# Altium PCB Thunderscope_Rev5.PCBDOC (part 1 of 7) (continued)
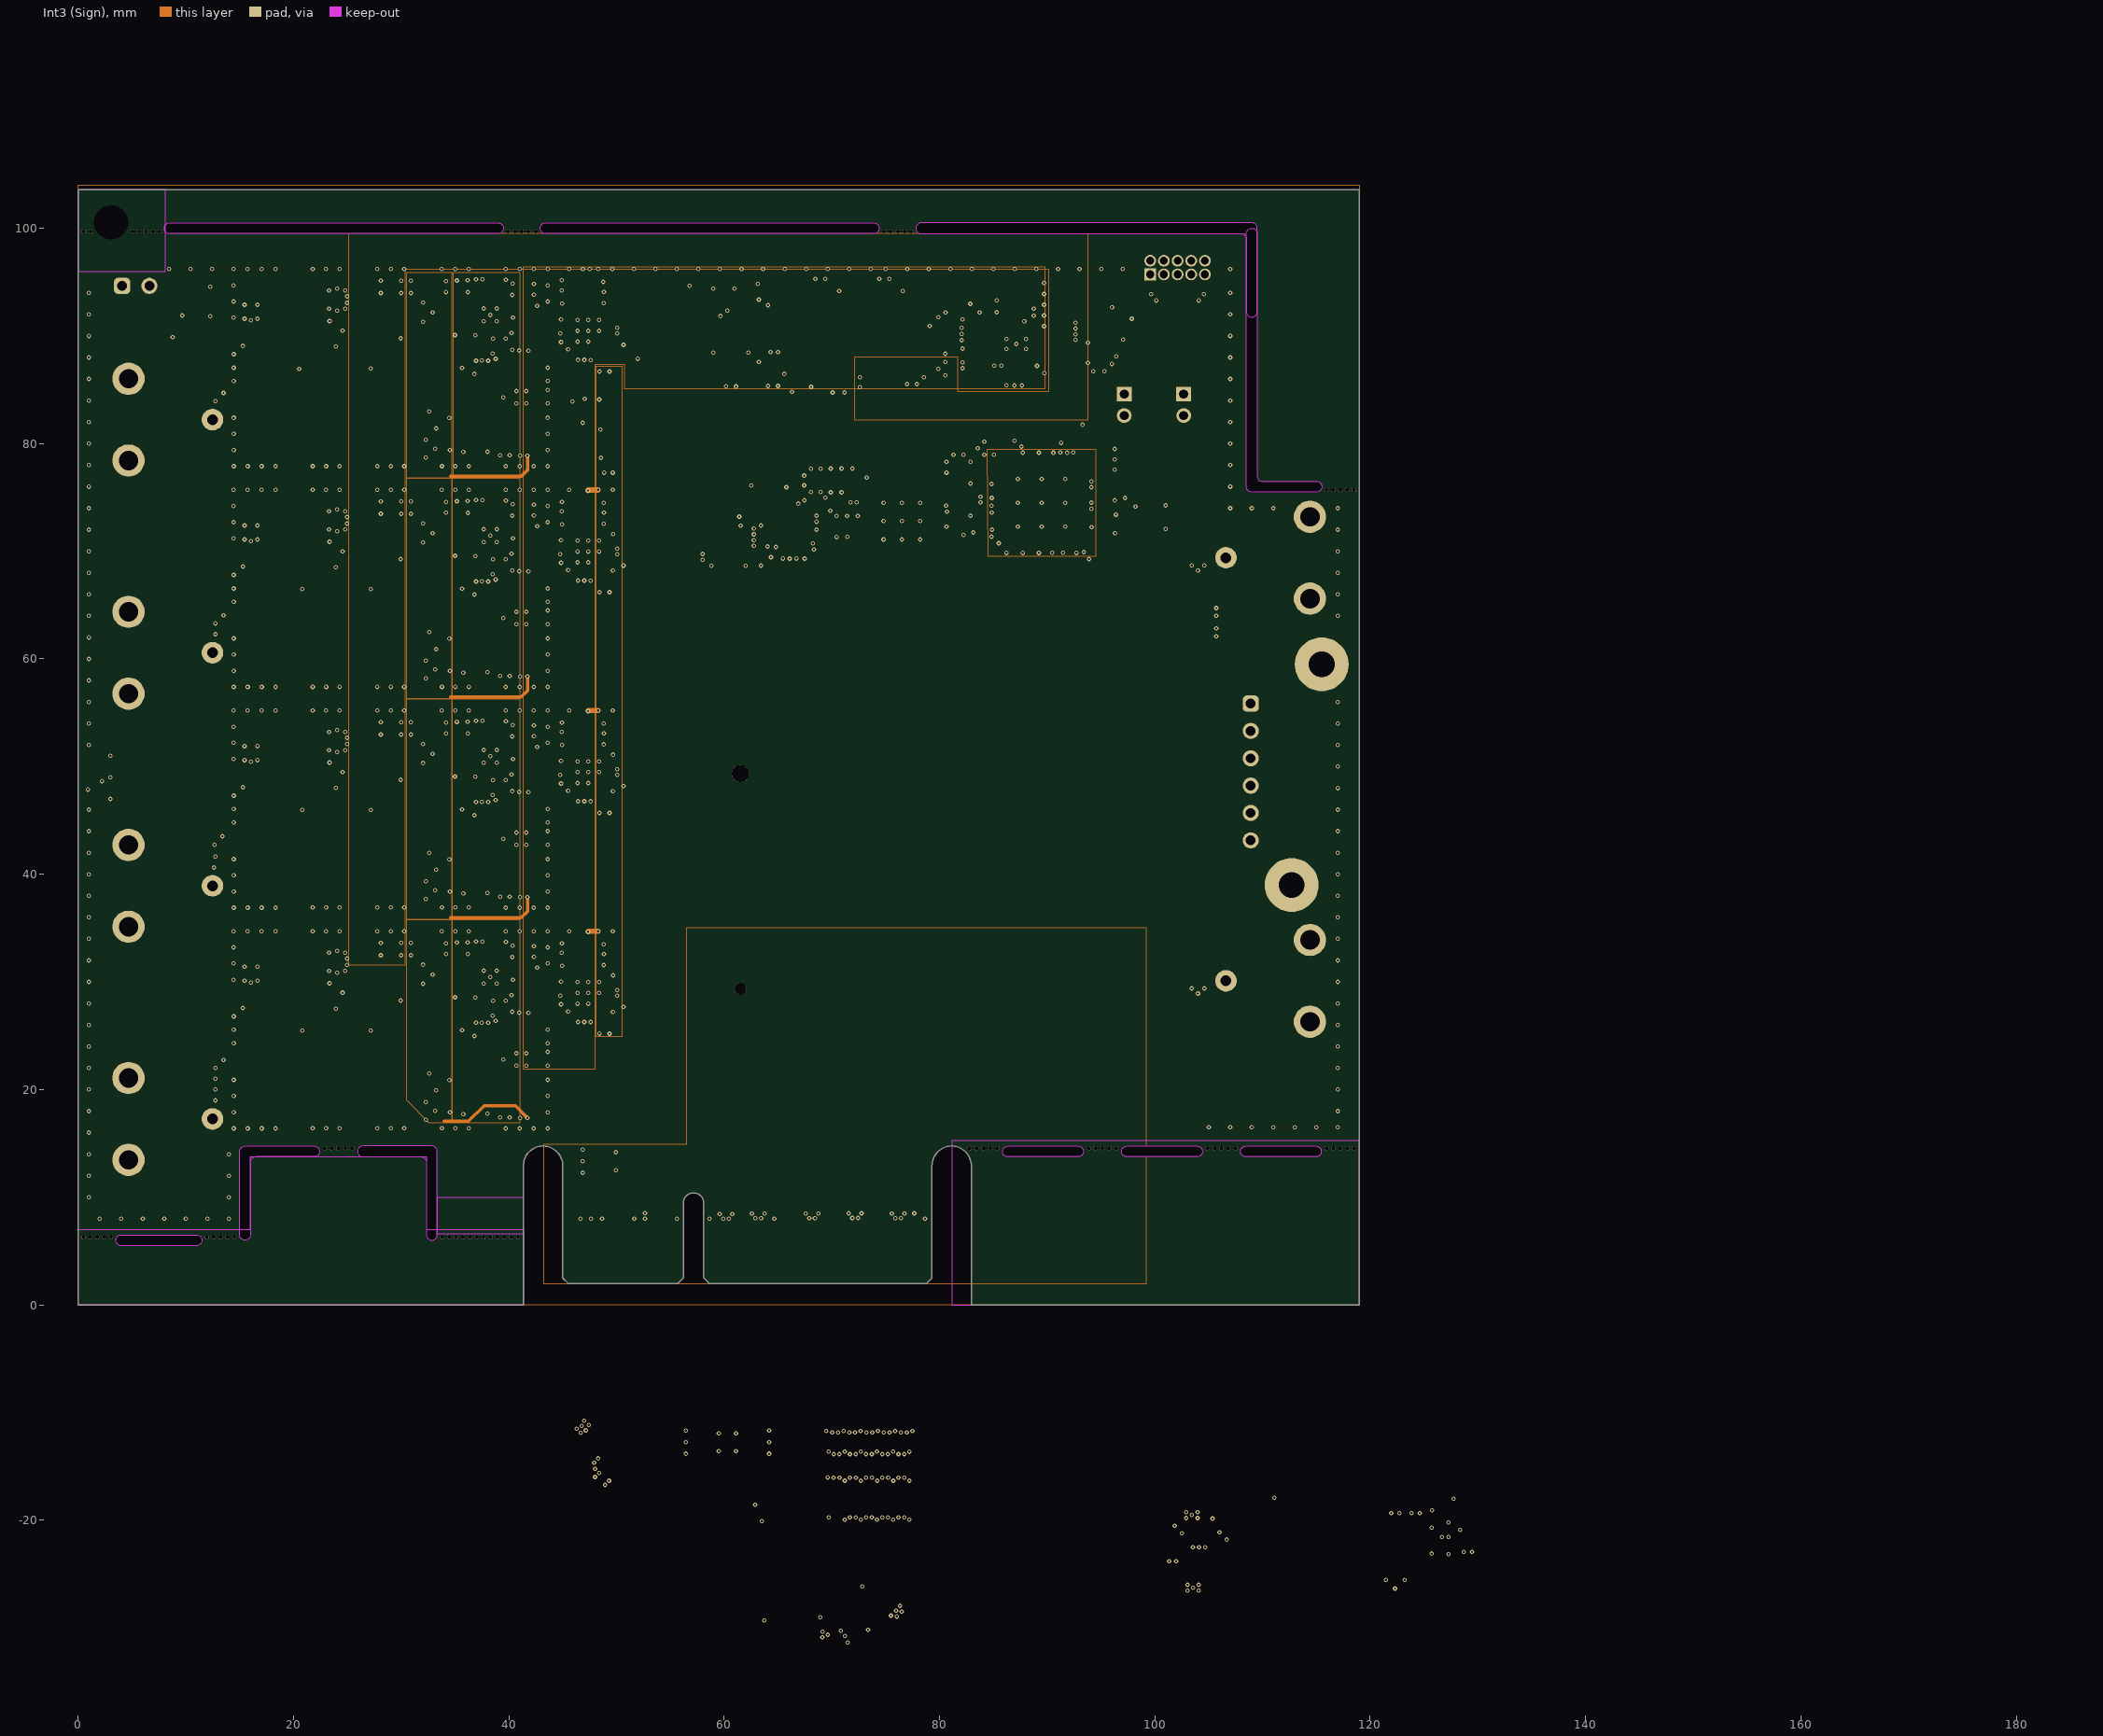
[diagram p4: Int3 (Sign)]
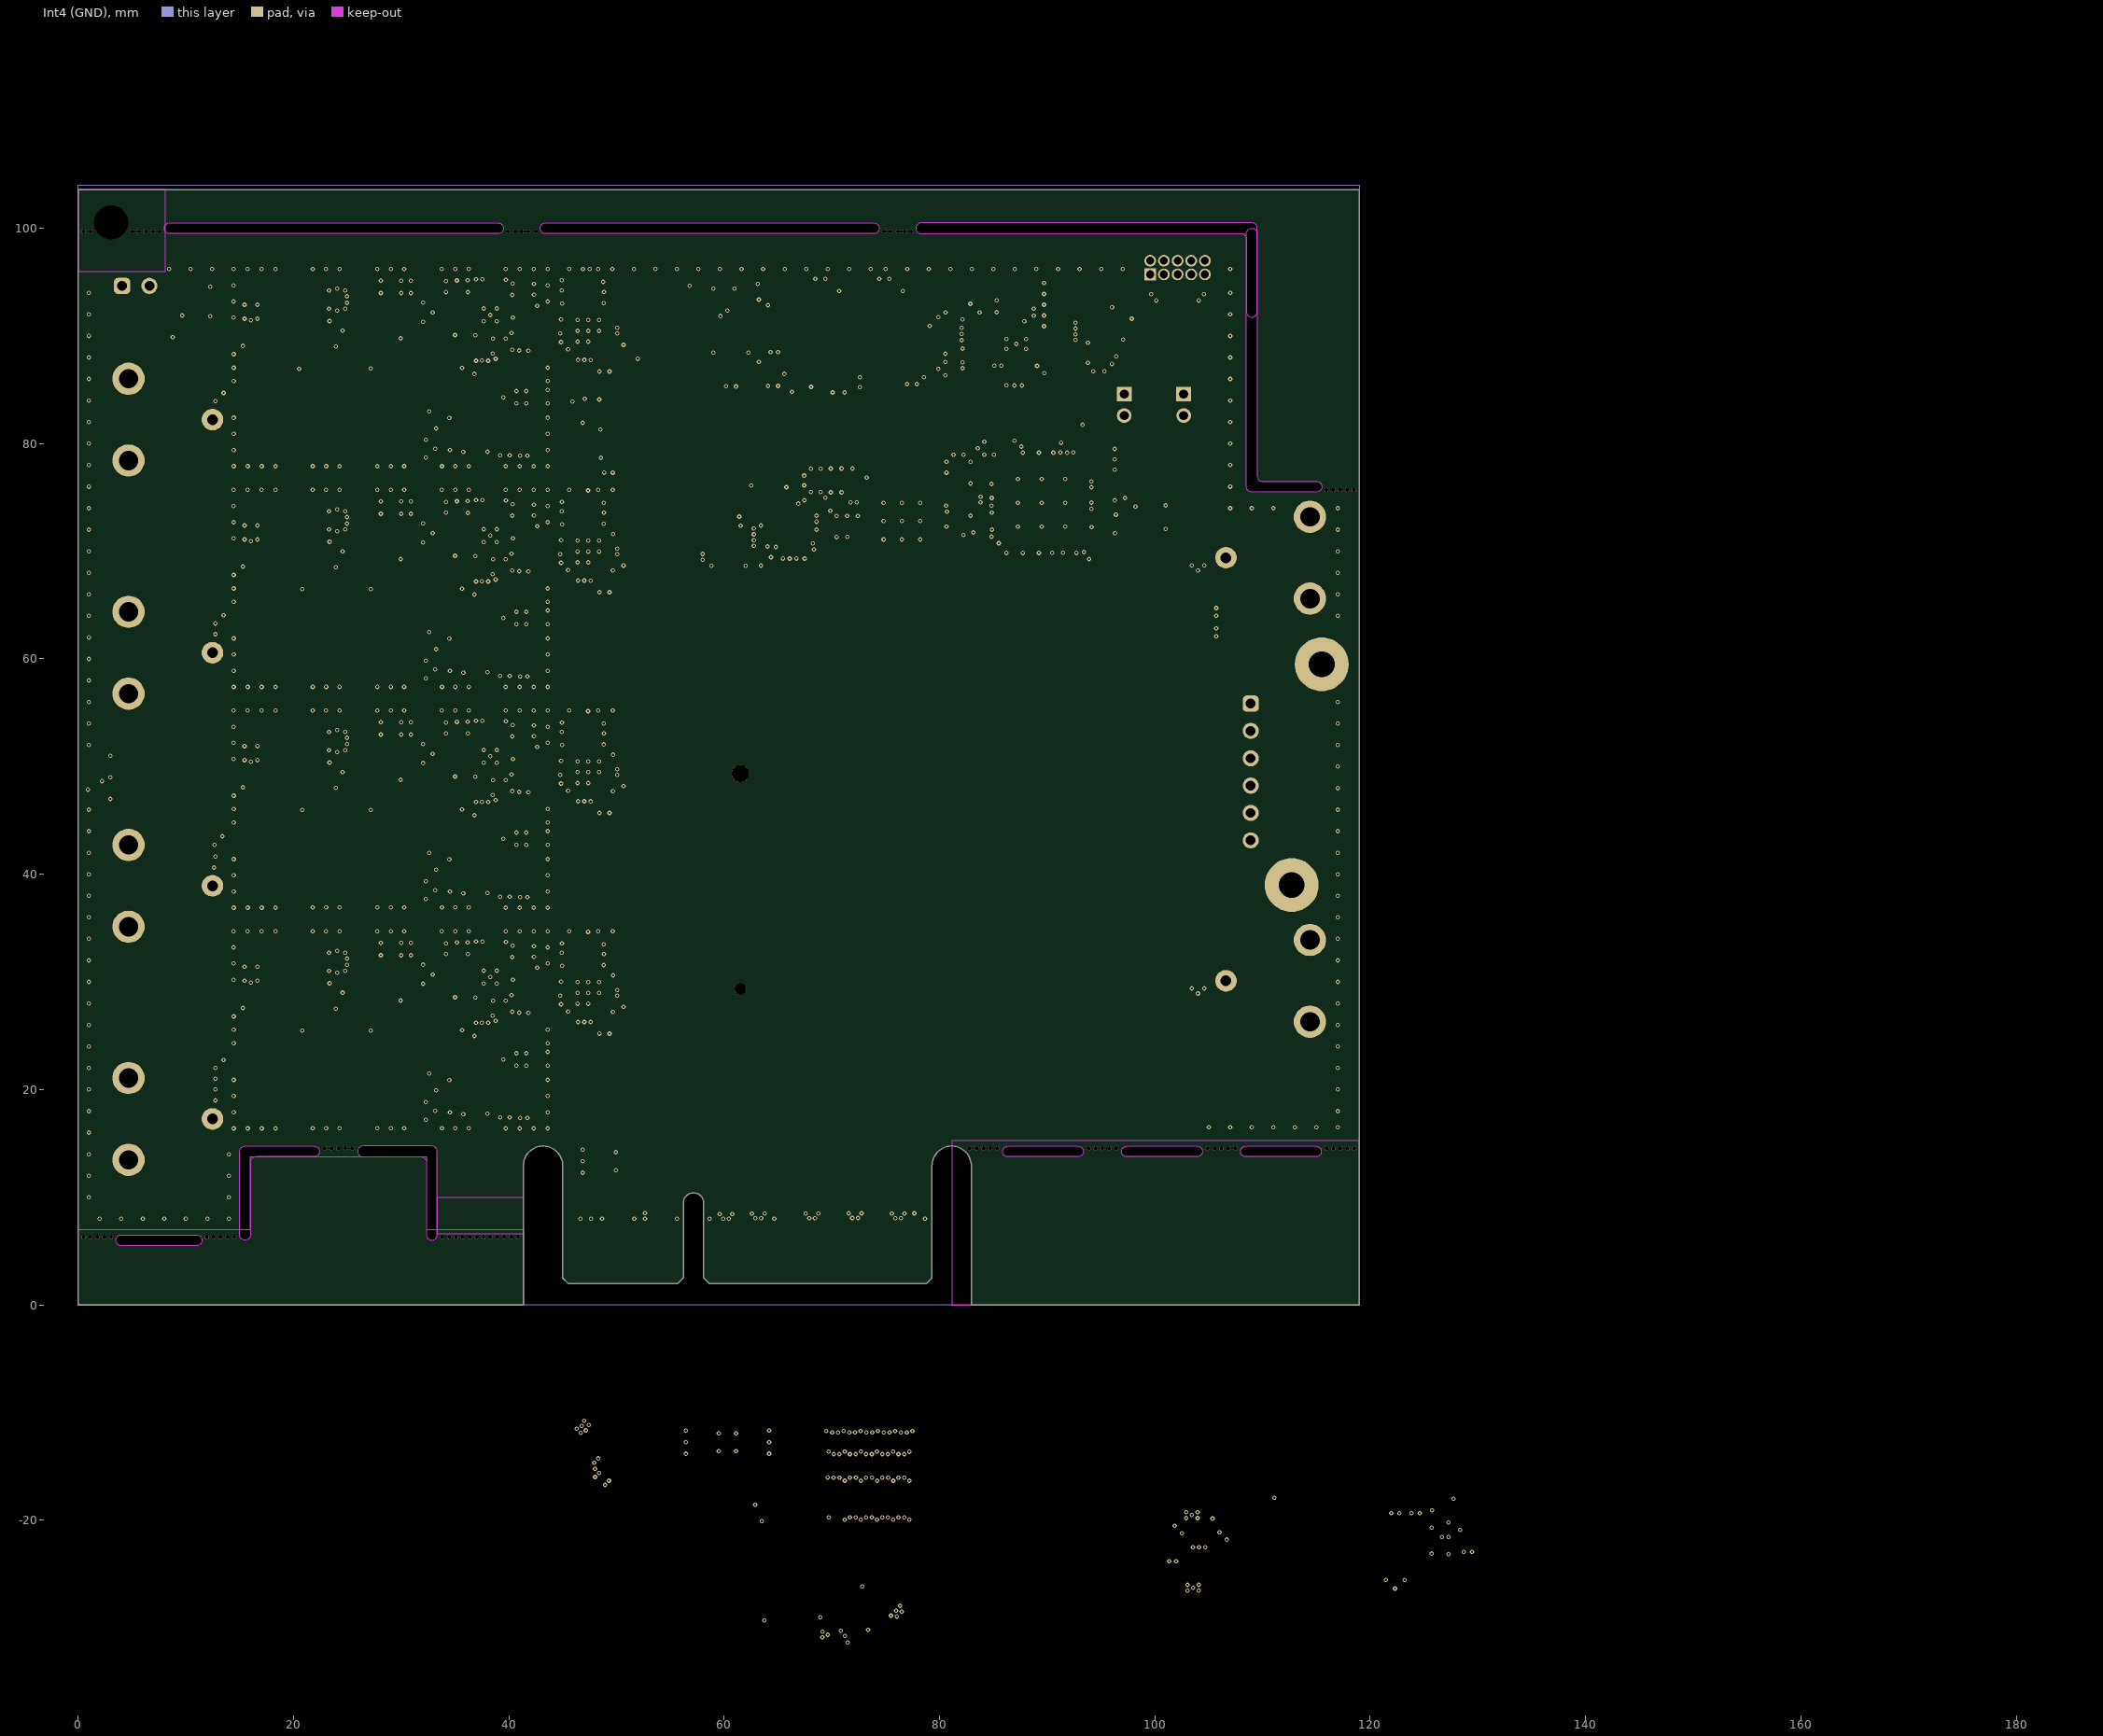
[diagram p5: Int4 (GND)]

## Layer stack, top to bottom
Top Solder: solder mask 0.0254, SM-001, Dk 4
Top Layer: signal copper 0.035
Dielectric 1: prepreg 0.1107, PP-006, Dk 3.23
Int1 (GND): signal copper 0.0175
Dielectric 3: core 0.1016, Core-035, Dk 3.66
Int2 (Sign): signal copper 0.0175
Dielectric 5: core 0.9256, PP-006, Dk 3.66
Int3 (Sign): signal copper 0.0175
Dielectric 6: core 0.1016, Core-035, Dk 3.66
Int4 (GND): signal copper 0.0175
Dielectric 8: prepreg 0.1107, PP-006, Dk 3.23
Bottom Layer: signal copper 0.035
Bottom Solder: solder mask 0.0254, SM-001, Dk 4

## Board outline
41.35,0 41.35,12.925 cw(c43.175,12.925) 45,12.925 45,2.5 45.5,2 55.7,2 56.2,2.5 56.2,9.45 cw(c57.15,9.45) 58.1,9.45 58.1,2.5 58.6,2 78.8,2 79.3,2.5 79.3,12.925 cw(c81.125,12.925) 82.95,12.925 82.95,0 119,0 119,103.6 0,103.6 0,0
cut-out: 43.4,99.5 cw(c43.4,100) 43.4,100.5 73.9,100.5 cw(c73.9,100) 73.9,99.5
cut-out: 8.5,99.5 cw(c8.5,100) 8.5,100.5 39,100.5 cw(c39,100) 39,99.5
cut-out: 109.5,92.25 109.5,100 ccw(c109,100) 109,100.5 78.29,100.5 ccw(c78.302,100) 78.315,99.5 108,99.5 cw(c108,99) 108.5,99 108.5,92.25 ccw(c109,92.25)
cut-out: 115,75.5 109,75.5 cw(c109,76) 108.5,76 108.5,99.5 cw(c109,99.5) 109.5,99.5 109.5,77 ccw(c110,77) 110,76.5 115,76.5 cw(c115,76)
cut-out: 97.4,13.75 cw(c97.4,14.25) 97.4,14.75 103.9,14.75 cw(c103.9,14.25) 103.9,13.75
cut-out: 33.35,6.5 33.35,14.25 ccw(c32.85,14.25) 32.85,14.75 26.436,14.75 ccw(c26.449,14.25) 26.461,13.75 31.85,13.75 cw(c31.85,13.25) 32.35,13.25 32.35,6.5 ccw(c32.85,6.5)
cut-out: 15,6.5 15,14.25 cw(c15.5,14.25) 15.5,14.75 21.914,14.75 cw(c21.901,14.25) 21.889,13.75 16.5,13.75 ccw(c16.5,13.25) 16,13.25 16,6.5 cw(c15.5,6.5)
cut-out: 108.45,13.75 cw(c108.45,14.25) 108.45,14.75 114.95,14.75 cw(c114.95,14.25) 114.95,13.75
cut-out: 86.35,13.75 cw(c86.35,14.25) 86.35,14.75 92.85,14.75 cw(c92.85,14.25) 92.85,13.75
cut-out: 4,5.5 cw(c4,6) 4,6.5 11,6.5 cw(c11,6) 11,5.5

## Design rules (kind name [scope] priority, off if disabled: settings)
BoardOutlineClearance [All] p1: gap=0.3 ignorepadtopadclearanceinfootprint=FALSE
Clearance Clearance_50Z [InNetClass('50Z') vs InNet('GND')] p1: gap=0.3 ignorepadtopadclearanceinfootprint=FALSE
Clearance Clearance_Via [isVia vs isVia or isPad] p2 off: gap=0.127 ignorepadtopadclearanceinfootprint=FALSE except(0: Arc-Hole Track-Hole SMDPad-Hole THPad-Hole Via-Hole Fill-Hole Poly-Hole Region-Hole Text-Hole)
Clearance Clearance_U13 [InComponent('U13') vs InComponent('U13')] p3: gap=0.127 ignorepadtopadclearanceinfootprint=TRUE except(0: Arc-Hole Track-Hole SMDPad-Hole THPad-Hole Via-Hole Fill-Hole Poly-Hole Region-Hole Text-Hole)
Clearance Clearance_DIFF_PGA [(InDifferentialPairClass('100Z_Diff_PGA')) vs (InDifferentialPairClass('100Z_Diff_PGA'))] p4: gap=0.254 ignorepadtopadclearanceinfootprint=FALSE except(0.428: Arc-Arc Arc-Track Track-Track)
Clearance Clearance_DIFF_PCIe [(InDifferentialPairClass('PCIe')) vs (InDifferentialPairClass('PCIe'))] p5: gap=0.127 ignorepadtopadclearanceinfootprint=FALSE except(0.254: Arc-Track Track-Track)
Clearance Clearance_DIFF_ADC [(InDifferentialPairClass('100Z_Diff')) vs (InDifferentialPairClass('100Z_Diff'))] p6: gap=0.127 ignorepadtopadclearanceinfootprint=FALSE except(0.214: Arc-Arc Arc-Track Track-Track)
Clearance Clearance_DIFF_PGA_GND [(InDifferentialPairClass('100Z_Diff_PGA')) vs InNet('GND')] p7: gap=0.127 ignorepadtopadclearanceinfootprint=FALSE except(0.508: Arc-Poly Track-Poly)
Clearance Clearance_DIFF_PCIe_GND [(InDifferentialPairClass('PCIe')) vs InNet('GND')] p8: gap=0.127 ignorepadtopadclearanceinfootprint=FALSE except(0.508: Arc-Poly Track-Poly)
Clearance Clearance_DIFF_ADC_GND [(InDifferentialPairClass('100Z_Diff')) vs InNet('GND')] p9: gap=0.127 ignorepadtopadclearanceinfootprint=FALSE except(0.508: Arc-Poly Track-Poly)
Clearance [All] p10: gap=0.127 ignorepadtopadclearanceinfootprint=FALSE except(0: Arc-Hole Track-Hole SMDPad-Hole THPad-Hole Via-Hole Fill-Hole Poly-Hole Region-Hole Text-Hole; 0.18: THPad-THPad; 0.254: Arc-THPad Arc-Poly Track-THPad Track-Poly SMDPad-THPad SMDPad-Poly Via-Poly Fill-Poly Poly-Poly; 0.508: THPad-Poly)
ComponentClearance ComponentClearance_BNC [HasFootprint('MOL_0731000105')] p1: gap=0 collisioncheckmode=3 verticalgap=0 showdistances=FALSE
ComponentClearance ComponentClearance_Probe_Comp [HasFootprint('GEN_2.54mm_1x2_Pin_TH_RA')] p2: gap=0 collisioncheckmode=3 verticalgap=0 showdistances=FALSE
ComponentClearance ComponentClearance_100pin [HasFootprint('SAM_LSHM-150-XX.X-XX-DV-A-S')] p3: gap=0 collisioncheckmode=3 verticalgap=0 showdistances=FALSE
ComponentClearance ComponentClearance_60pin [HasFootprint('SAM_LSHM-130-XX.X-XX-DV-A-S')] p4: gap=0 collisioncheckmode=3 verticalgap=0 showdistances=FALSE
ComponentClearance [All] p5: gap=0.254 collisioncheckmode=3 verticalgap=0.254 showdistances=FALSE
DiffPairsRouting DiffPairsRouting_100Z [InDifferentialPairClass('100Z_Diff')] p1: maxlimit=0.23 minlimit=0.127 mostfreqgap=0.23 toplayer_mingap=0.13 toplayer_maxgap=0.13 toplayer_prefgap=0.13 toplayer_minwidth=0.127 toplayer_maxwidth=0.127 toplayer_prefwidth=0.127 midlayer2_mingap=0.23 midlayer2_minwidth=0.127 midlayer2_maxwidth=0.127 midlayer2_prefwidth=0.127 midlayer3_mingap=0.23 midlayer3_minwidth=0.127 midlayer3_maxwidth=0.127 midlayer3_prefwidth=0.127 bottomlayer_mingap=0.13 bottomlayer_maxgap=0.13 bottomlayer_prefgap=0.13 bottomlayer_minwidth=0.127 bottomlayer_maxwidth=0.127 bottomlayer_prefwidth=0.127 impedanceprofiledriven=TRUE impedanceprofileid={FB5F7173-F835-4297-BE54-BE04AE4BFF60} impedanceprofilevalue=100.000000 maxuncoupledlength=12.7
DiffPairsRouting DiffPairsRouting_100Z_PGA [InDifferentialPairClass('100Z_Diff_PGA')] p2: maxlimit=0.23 minlimit=0.127 mostfreqgap=0.23 toplayer_mingap=0.13 toplayer_maxgap=0.13 toplayer_prefgap=0.13 toplayer_minwidth=0.127 toplayer_maxwidth=0.127 toplayer_prefwidth=0.127 midlayer2_mingap=0.23 midlayer2_minwidth=0.127 midlayer2_maxwidth=0.127 midlayer2_prefwidth=0.127 midlayer3_mingap=0.23 midlayer3_minwidth=0.127 midlayer3_maxwidth=0.127 midlayer3_prefwidth=0.127 bottomlayer_mingap=0.13 bottomlayer_maxgap=0.13 bottomlayer_prefgap=0.13 bottomlayer_minwidth=0.127 bottomlayer_maxwidth=0.127 bottomlayer_prefwidth=0.127 impedanceprofiledriven=TRUE impedanceprofileid={FB5F7173-F835-4297-BE54-BE04AE4BFF60} impedanceprofilevalue=100.000000 maxuncoupledlength=12.7
DiffPairsRouting DiffPairsRouting_PCIe [InDifferentialPairClass('PCIe')] p3: maxlimit=0.127 minlimit=0.127 mostfreqgap=0.127 toplayer_minwidth=0.191 toplayer_maxwidth=0.191 toplayer_prefwidth=0.191 midlayer2_minwidth=0.148 midlayer2_maxwidth=0.148 midlayer2_prefwidth=0.148 midlayer3_minwidth=0.148 midlayer3_maxwidth=0.148 midlayer3_prefwidth=0.148 bottomlayer_minwidth=0.191 bottomlayer_maxwidth=0.191 bottomlayer_prefwidth=0.191 impedanceprofiledriven=TRUE impedanceprofileid={7212ECE3-5650-4114-8E5F-257A5B36AE57} impedanceprofilevalue=85.000000 maxuncoupledlength=12.7
Height "PCI Express, Page 84, \"Component Height Constraints\" for solder side" [OnBottomLayer] p1: minheight=0 maxheight=2.67 prefheight=2.67
Height "PCI Express, Page 84, \"Component Height Constraints\" for component side" [OnTopLayer] p2: minheight=0 maxheight=14.47 prefheight=14.47
HoleSize [All] p1: absolutevalues=TRUE maxlimit=6.731 minlimit=0.254 maxpercent=80.000 minpercent=20.000
HoleToHoleClearance [All] p1: gap=0.254 allowstackedmicrovias=FALSE
MatchedLengths MatchedLengths_Inputs [InNetClass('50Z')] p1: tolerance=25.4 checknetsindiffpair=FALSE checkdiffpairvsdiffpair=TRUE checkxsignals=TRUE checkothers=TRUE usedelayunits=TRUE delaytolerance=0.100000
MatchedLengths MatchedLengths_ADC [InDifferentialPairClass('100Z_Diff')] p2: tolerance=3 checknetsindiffpair=FALSE checkdiffpairvsdiffpair=TRUE checkxsignals=TRUE checkothers=TRUE usedelayunits=TRUE delaytolerance=5.000000
MatchedLengths MatchedLengths_ADC_pair [InDifferentialPairClass('100Z_Diff')] p3: tolerance=3 checknetsindiffpair=TRUE checkdiffpairvsdiffpair=FALSE checkxsignals=FALSE checkothers=FALSE usedelayunits=TRUE delaytolerance=2.000000
MatchedLengths MatchedLengths_PGA [InDifferentialPairClass('100Z_Diff_PGA')] p4: tolerance=3 checknetsindiffpair=FALSE checkdiffpairvsdiffpair=TRUE checkxsignals=TRUE checkothers=TRUE usedelayunits=TRUE delaytolerance=5.000000
MatchedLengths MatchedLengths_PGA_pair [InDifferentialPairClass('100Z_Diff_PGA')] p5: tolerance=3 checknetsindiffpair=TRUE checkdiffpairvsdiffpair=FALSE checkxsignals=FALSE checkothers=FALSE usedelayunits=TRUE delaytolerance=2.000000
MatchedLengths MatchedLengths_PCIe_pair [InDifferentialPairClass('PCIe')] p6: tolerance=3 checknetsindiffpair=TRUE checkdiffpairvsdiffpair=FALSE checkxsignals=FALSE checkothers=FALSE usedelayunits=TRUE delaytolerance=2.000000
MinimumAnnularRing [All] p1: minimumring=0.102
MinimumSolderMaskSliver [All] p1: minsoldermaskwidth=0
PlaneClearance [All] p1: clearance=0.127
PlaneConnect [All] p1: pad.planeconnectstyle=Relief pad.reliefexpansion=0.102 pad.reliefentries=4 pad.reliefconductorwidth=0.152 pad.reliefairgap=0.152 via.planeconnectstyle=Direct via.reliefexpansion=0.102 via.reliefentries=4 via.reliefconductorwidth=0.152 via.reliefairgap=0.152
PolygonConnect [All] p1: thpad.connectstyle=Relief thpad.reliefconductorwidth=0.254 thpad.reliefentries=4 thpad.polygonreliefangle="90 Angle" thpad.airgapwidth=0.152 smdpad.connectstyle=Direct smdpad.reliefconductorwidth=0.254 smdpad.reliefentries=4 smdpad.polygonreliefangle="90 Angle" smdpad.airgapwidth=0.152 via.connectstyle=Direct via.reliefconductorwidth=0.254 via.reliefentries=4 via.polygonreliefangle="90 Angle" via.airgapwidth=0.152
RoomDefinition CH4 [InComponentClass('CH4')] p1: confinementstyle=ConfineIn formatcopy=TRUE lockcomponents=FALSE outline 13.8,96.875 44,96.875 44,77.225 13.8,77.225
RoomDefinition CH3 [InComponentClass('CH3')] p2: confinementstyle=ConfineIn formatcopy=TRUE lockcomponents=FALSE outline 13.8,76.375 44,76.375 44,56.725 13.8,56.725
RoomDefinition CH2 [InComponentClass('CH2')] p3: confinementstyle=ConfineIn formatcopy=TRUE lockcomponents=FALSE outline 13.8,55.875 44,55.875 44,36.225 13.8,36.225
RoomDefinition CH1 [InComponentClass('CH1')] p4: confinementstyle=ConfineIn formatcopy=TRUE lockcomponents=FALSE outline 13.8,35.375 44,35.375 44,15.725 13.8,15.725
RoutingCorners [All] p1: cornerstyle=45-Degree minsetback=1.25 maxsetback=1.25
RoutingVias [All] p1: holewidth=0.254 width=0.457 viastyle="Through Hole" minholewidth=0.254 minwidth=0.457 maxholewidth=0.254 maxwidth=0.457 useviatemplates=TRUE viatemplateguid#1={14ACA18C-B4B9-4F0E-87C9-584203889310} viatemplatename#1=v41h20m0mx0
SilkToSilkClearance [All] p1: silktosilkclearance=0
SilkToSolderMaskClearance [IsPad] p1: minsilkscreentomaskgap=0.127 clearancetoexposedcopper=TRUE
SolderMaskExpansion [All] p1: expansion=0.038 istentingtop=FALSE
SupplyNets "Schematic Supply Nets_21" [InNet('2V5')] p1: voltage=0.000
SupplyNets "Schematic Supply Nets_20" [InNet('-5V')] p2: voltage=0.000
SupplyNets "Schematic Supply Nets_19" [InNet('1V2_MGT')] p3: voltage=0.000
SupplyNets "Schematic Supply Nets_18" [InNet('+5V')] p4: voltage=0.000
SupplyNets "Schematic Supply Nets_17" [InNet('+12V')] p5: voltage=0.000
SupplyNets "Schematic Supply Nets_16" [InNet('-VBIAS')] p6: voltage=0.000
SupplyNets "Schematic Supply Nets_15" [InNet('+VBIAS')] p7: voltage=0.000
SupplyNets "Schematic Supply Nets_14" [InNet('+3V3_IN')] p8: voltage=0.000
SupplyNets "Schematic Supply Nets_13" [InNet('+3V3')] p9: voltage=0.000
SupplyNets "Schematic Supply Nets_12" [InNet('+1V8APLL')] p10: voltage=0.000
SupplyNets "Schematic Supply Nets_11" [InNet('AGND')] p11: voltage=0.000
SupplyNets "Schematic Supply Nets_10" [InNet('GND')] p12: voltage=0.000
SupplyNets "Schematic Supply Nets_9" [InNet('1V0')] p13: voltage=0.000
SupplyNets "Schematic Supply Nets_8" [InNet('+5V2')] p14: voltage=0.000
SupplyNets "Schematic Supply Nets_7" [InNet('1V8')] p15: voltage=0.000
SupplyNets "Schematic Supply Nets_6" [InNet('1V35')] p16: voltage=0.000
SupplyNets "Schematic Supply Nets_5" [InNet('+3V3_IO')] p17: voltage=0.000
SupplyNets "Schematic Supply Nets_4" [InNet('+1V8D')] p18: voltage=0.000
SupplyNets "Schematic Supply Nets_3" [InNet('+1V8A')] p19: voltage=0.000
SupplyNets "Schematic Supply Nets_2" [InNet('+3V3_PGA')] p20: voltage=0.000
SupplyNets "Schematic Supply Nets_1" [InNet('+1V92')] p21: voltage=0.000
SupplyNets "Schematic Supply Nets" [InNet('1V0_MGT')] p22: voltage=0.000
ViasUnderSMD [All] p1: allowed=FALSE
Width GND [InNet('GND')] p1: maxlimit=0.762 minlimit=0.127 preferedwidth=0.508
Width Power [InNetClass('Power')] p2: maxlimit=1.016 minlimit=0.508 preferedwidth=0.762
Width 3V3 [InNetClass('3V3')] p3: maxlimit=0.762 minlimit=0.254 preferedwidth=0.508
Width 50Z [InNetClass('50Z')] p4: maxlimit=0.254 minlimit=0.127 preferedwidth=0.156 toplayer_minwidth=0.213 toplayer_maxwidth=0.213 toplayer_prefwidth=0.213 midlayer2_minwidth=0.156 midlayer2_maxwidth=0.156 midlayer3_minwidth=0.156 midlayer3_maxwidth=0.156 bottomlayer_minwidth=0.213 bottomlayer_maxwidth=0.213 bottomlayer_prefwidth=0.213 impedanceprofiledriven=TRUE impedanceprofileid={FDA8FC08-28A6-4DD6-B9BB-CC1F53D11216} impedanceprofilevalue=50.000000 minimp=50.000000 maximp=50.000000 favimp=50.000000
Width [All] p5: maxlimit=10.16 minlimit=0.127 preferedwidth=0.254 midlayer3_minwidth=0.152 midlayer3_prefwidth=0.203 midlayer4_minwidth=0.152 midlayer4_prefwidth=0.203 minimp=50.000000 maximp=50.000000 favimp=50.000000
19 further rules are at their usual default settings.

## Classes and differential pairs
component class "FPGA IO Banks": C1000 R1012 U1000 Y1000
component class "Voltage Regulation": C1071 C1072 C1073 C1074 C1075 C1076 C1077 C1078 C1079 C1080 C1081 C1082 C1083 C1084 C1085 L1000 L1001 L1002 R1046 R1047 R1048 R1049 R1050 R1051 R1052 R1053 R1054 R1055 R1056 R1057 R1058 R1059 R1060 R1061 TP1010 TP1011 TP1012 U1005 U1006 U1007 U1008 U1009
component class "FPGA Transceivers": R1041
component class "FPGA Power": C1029 C1030 C1031 C1032 C1033 C1034 C1035 C1036 C1037 C1038 C1039 C1040 C1041 C1042 C1043 C1044 C1045 C1046 C1047 C1048 C1049 C1050 C1051 C1052 C1053 C1054 C1055 C1056 C1057 C1058 C1059 C1060 C1061 C1062 C1063 C1064 C1065 C1066 C1067 C1068 C1069 C1070 FB1001 FB1002
component class "FPGA Configuration": C1028 FB1000 R1044 R1045 TP1003 TP1008 TP1009 U1003
component class POWER: C2 C3 C4 C91 C92 C117 C118 C119 C120 C121 C122 C123 J12 J13 L1 L3 R3 R6 R10 R12 R38 R105 R113 R114 R115 TP3 TP18 TP32 TP47 U2 U14 U19
net class 50Z: NetJ2A_1 NetJ2B_1 NetJ2C_1 NetJ2D_1
differential pair class 100Z_Diff: D1A D1B D2A D2B D3A D3B D4A D4B FCLK LCLK
differential pair class PCIe: M2_PER0 M2_PER1 M2_PER2 M2_PER3 M2_PET0 M2_PET1 M2_PET2 M2_PET3 M2_REFCLK MGT_CLK1 MGT_RX0 MGT_RX1 MGT_RX2 MGT_RX3 MGT_TX0 MGT_TX1 MGT_TX2 MGT_TX3 PCIe_PER0 PCIe_PER1 PCIe_PER2 PCIe_PER3 PCIe_PET0 PCIe_PET1 PCIe_PET2 PCIe_PET3 PCIe_REFCLK
net class TERM_[4..1]: TERM_1 TERM_2 TERM_3 TERM_4
differential pair class 100Z_Diff_PGA: CH1 CH2 CH3 CH4
channel class FE_Channel: CH1 CH2 CH3 CH4
net class PGA_CSn_[4..1]: PGA_CSn_1 PGA_CSn_2 PGA_CSn_3 PGA_CSn_4
net class DC_CPL_[4..1]: DC_CPL_1 DC_CPL_2 DC_CPL_3 DC_CPL_4
net class ATTEN_[4..1]: ATTEN_1 ATTEN_2 ATTEN_3 ATTEN_4
component class PLL: C82 C83 C84 C85 C86 C87 C88 C89 C90 C93 C94 C95 C96 C97 C98 C99 C112 C113 C114 C115 C116 FB5 R26 R27 R28 R88 R89 R90 R91 R92 R93 R94 R111 TP42 TP43 TP44 U15 Y1
component class PCIe_X4: P1 R86 R87 R116 TP40 TP41 TP50 TP51
component class M.2_Key_M: J10 R95 TP45 TP46
component class "Front End": C5 C6 C7 C8 C9 C10 C11 C12 C13 C14 C17 C18 C19 C100 C107 C125 C126 Q1 Q2 R7 R8 R9 R11 R13 R14 R15 R16 R17 R18 R19 R20 R21 R22 R23 R24 R25 R117 TP9 TP10 TP11 TP12 TP13 TP15 TP16 TP17 TP19 TP20 TP21 TP52 TP53 TP54 U3 U4 U5 U6 U8 U17 U20
component class FPGA: C15 C16 C40 C62 C65 C66 C67 C68 C69 C70 C71 C72 C73 C74 C75 C76 C77 C79 C80 C81 D1 FID1000 FID1001 FID1002 FID1003 FID1004 FID1005 FID1006 FID1007 J8 R67 R68 R69 R70 R71 R72 R73 R74 R75 R76 R77 R78 R79 R80 R81 R82 R83 R84 R85 TP39
component class "Edge Connector": P1
component class CH4: C20D C21D C22D C23D C26D C27D C28D C29D C30D C31D C32D C33D C34D C35D C36D C37D C38D C39D C63D C64D C78D C101D C102D C108D C109D C110D C111D C124D C127D C128D C129D C130D C131D C132D C133D D2D D3D FB4D FB6D FB7D FB8D FB9D FB10D J2D J3D J4D K1D K2D Q3D Q4D Q5D R29D R30D R31D R32D R33D R35D R41D R43D R47D R48D R49D R50D R51D R52D R53D R54D R55D R56D R65D R96D R97D R98D R99D R100D R118D R119D R120D R121D R122D R123D R124D R125D R126D R127D SHLD3D TP22D TP23D TP24D TP25D TP26D U7D U9D U10D U18D
component class CH3: C20C C21C C22C C23C C26C C27C C28C C29C C30C C31C C32C C33C C34C C35C C36C C37C C38C C39C C63C C64C C78C C101C C102C C108C C109C C110C C111C C124C C127C C128C C129C C130C C131C C132C C133C D2C D3C FB4C FB6C FB7C FB8C FB9C FB10C J2C J3C J4C K1C K2C Q3C Q4C Q5C R29C R30C R31C R32C R33C R35C R41C R43C R47C R48C R49C R50C R51C R52C R53C R54C R55C R56C R65C R96C R97C R98C R99C R100C R118C R119C R120C R121C R122C R123C R124C R125C R126C R127C SHLD3C TP22C TP23C TP24C TP25C TP26C U7C U9C U10C U18C